# KiCad board Control_1v1.kicad_pcb (continued)
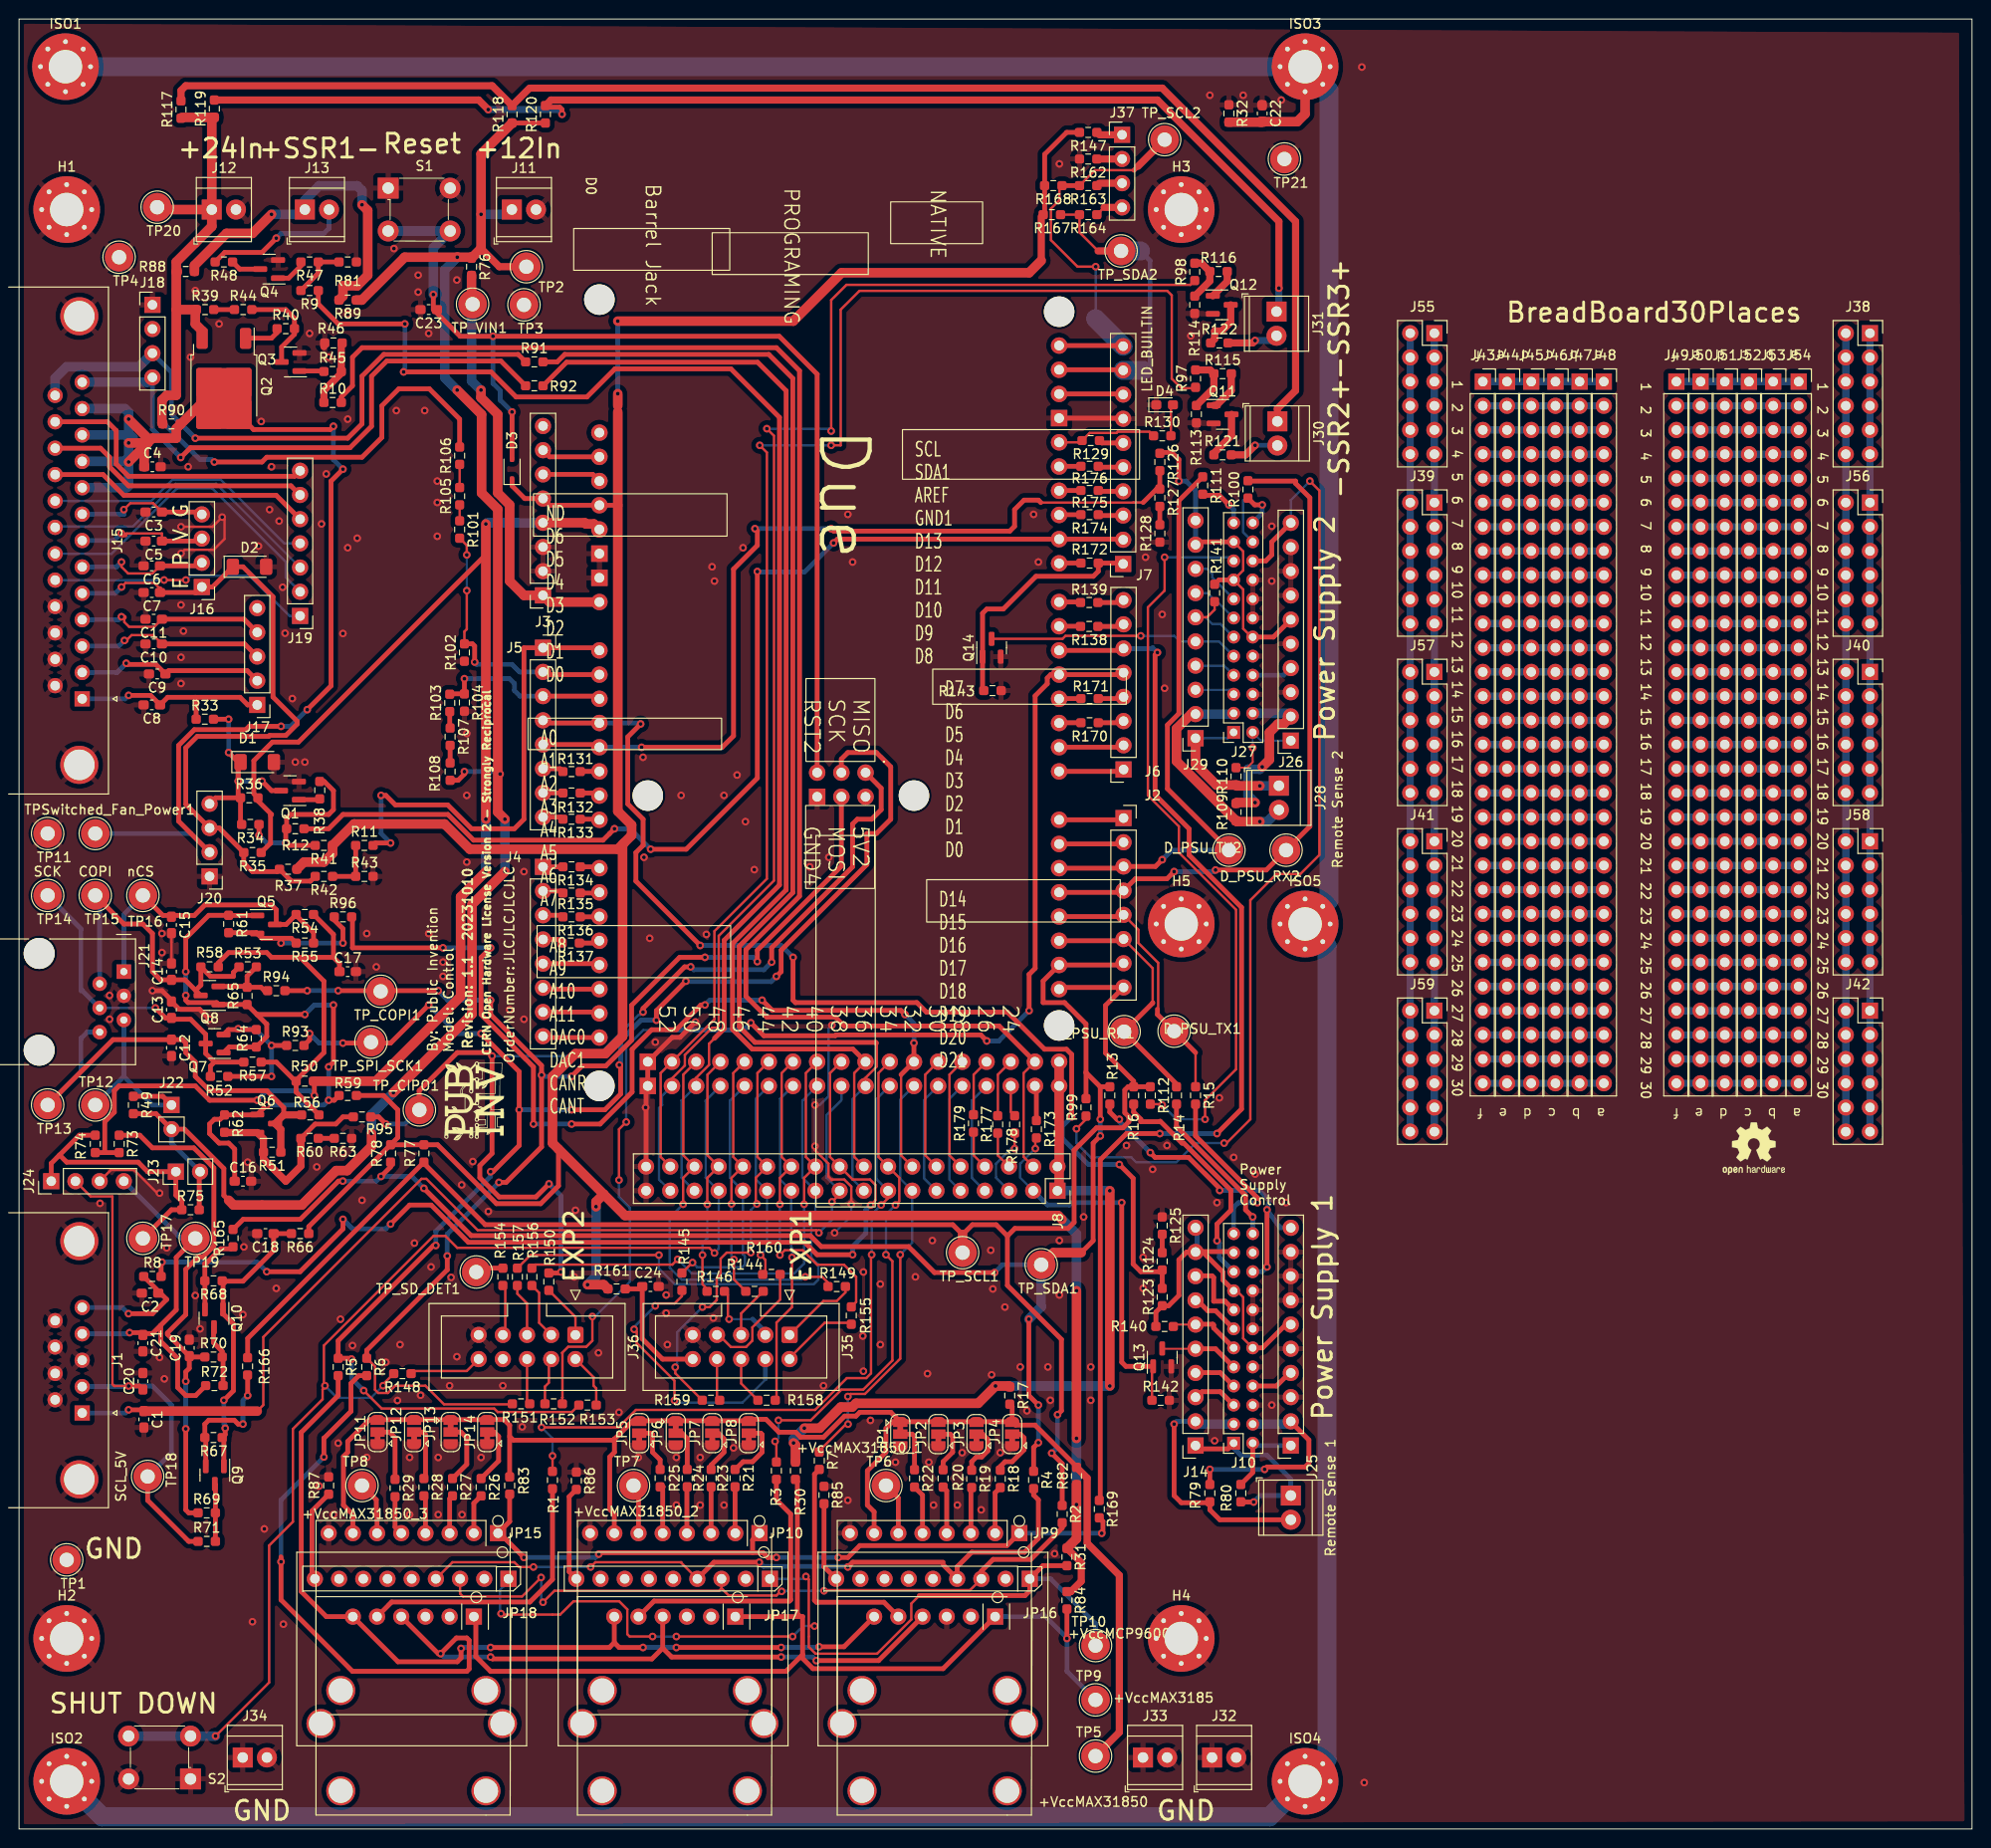
[diagram p0: board, top side]
## Routing (per net, layer and track width the routed paths; a pad name or vN(x,y) marks a point on that pad's centre or on a via; arc(x,y) is an arc through that point) (continued)
/Blower controller/TachFan4: length 14.3
  Top w0.25: v1(11,138.5) 11.67,139.18 14.08,139.18 C3.1
  Top w0.5: C3.1 18.94,138.25 J16.4
  Bottom w0.5: J15.8 11,138.03 v1(11,138.5) 11.03,138.47 11.03,138
/D_PSU_RX: length 27.1
  Top w0.25: 119,86.75 119,90.36 J2.6 ; 121.5,78.2 R14.2
  Top w0.5: J2.6 115.76,93.24 A1.D19 ; 121.5,78.2 D_PSU_RX1.1 119,86.7 119,86.75
/D_PSU_RX2: length 71.1
  Top w0.5: v1(121.25,100.5) 120.5,99.75 117.19,99.75 J2.4 115.76,98.32 A1.D17 ; v1(125.6,100.67) 130.92,100.67 D_PSU_RX2.1 135.5,105.25 135.5,139.75 134,141.25 134,141.5 129.03,141.5 R100.2
  Bottom w0.5: v1(121.25,100.5) 125.43,100.5 v1(125.6,100.67)
/D_PSU_TX: length 28.1
  Top w0.25: J2.5 117.5,94.4 117.5,93 119.57,90.93 119.57,86.12 119.5,86.05 ; 123.5,81.5 R15.1
  Top w0.5: A1.D18 115.76,95.78 J2.5 ; 123.5,81.5 D_PSU_TX1.1 119.5,85.5 119.5,86.05
/D_PSU_TX2: length 62
  Top w0.5: v1(120,101.75) 119.29,101.04 J2.3 115.76,100.86 A1.D16 ; D_PSU_TX2.1 120.55,109.2 120.55,115.89 121.75,117.09 121.75,139.44 R111.1
  Bottom w0.5: D_PSU_TX2.1 121,102.75 v1(120,101.75)
/Display Interface/Beeper: length 8.3
  Top w0.25: J35.1 84.44,55.42 85.84,55.42 86.75,56.33 R149.1
/Display Interface/BTN_EN1: length 6
  Top w0.25: R156.2 54.59,56.29 54.59,53.13 J36.3
/Display Interface/BTN_EN2: length 5.6
  Top w0.25: J36.5 53.33,55.17 52.31,56.18 R157.2
/Display Interface/BTN_ENC: length 8.2
  Top w0.25: J35.2 80.88,49.45 84.57,53.13 87.21,53.13 R155.2
/Display Interface/LCD_MOSI/CS: length 7.8
  Top w0.25: R146.1 74.41,56.08 74.41,53.64 v1(74.53,53.52)
  Bottom w0.25: v1(74.53,53.51) 77.03,53.51
  Bottom w0.5: J35.3 78.34,52.2 77.03,53.51
/Display Interface/LCD_RS: length 29.2
  Top w0.25: v1(68.8,44.99) 68.8,47.06 64.84,51.02 64.84,52.18 v1(64.57,52.45) ; v1(66.79,54.91) 67.04,55.17 68.82,55.17 69.58,55.93 R145.1
  Bottom w0.25: 78.34,47.26 78.34,47.16 75.93,44.75 69.04,44.75 v1(68.8,44.99) ; v1(66.79,54.91) 64.57,52.69 v1(64.57,52.45)
  Bottom w0.508: 78.34,47.26 J35.4
/Display Interface/LCD_SCK: length 5.5
  Top w0.25: R144.1 75.8,54.12 75.8,51.86
/Display Interface/LED_Blue: length 4.4
  Top w0.25: R159.2 73.26,45.29 73.26,49.32
/Display Interface/LED_Green: length 12.8
  Top w0.25: 73.26,52.05 74.72,50.59 76.31,50.59 76.97,51.26 76.97,52.65 79.89,55.57 R160.2
/Display Interface/LED_Red: length 5
  Top w0.25: R158.2 75.8,46.77 75.8,49.32
/Display Interface/SD_CS: length 5
  Top w0.25: J36.4 55.61,49.07 55.61,46.85 55.21,46.44 R152.1
/Display Interface/SD_DET: length 5.4
  Top w0.25: J36.7 51.04,52.12 51.04,56.79 R154.1
/Display Interface/SD_MISO: length 5.8
  Top w0.25: J36.1 58.41,53.75 R150.1
/Display Interface/SD_MOSI: length 4.8
  Top w0.25: R151.1 53.33,44.9 J36.6
/Display Interface/SD_SCK: length 5.7
  Top w0.25: R153.1 60.59,46.25 60.31,46.53 60.31,47.42 J36.2
/Display Interface/STOP/KILL: length 7.7
  Top w0.25: R148.1 41.43,48.08 47,48.08 J36.10
/EN2+: length 8
  Top w0.25: J29.6 124.7,127.2 125.5,128 R141.2
  Bottom w0.25: J29.6 124.55,127.2 125.25,126.5 126.12,126.5 J27.11
/EN2-: length 26.4
  Top w0.25: v1(117.75,125.25) 109.85,125.25 109.54,124.94 Q14.3
  Bottom w0.25: v1(117.75,125.25) 121.25,125.25 121.84,124.66 J29.5 125.96,124.66 J27.9
/EN+: length 7.5
  Top w0.2: J14.6 121.36,52.95 R140.2
  Top w0.5: 123.65,52.99 125.31,52.99 125.4,52.9 125.4,52.6 J10.11
/EN-: length 8.2
  Top w0.2: J14.5 120.03,50.41 Q13.3
  Top w0.5: 123.65,50.45 123.7,50.4 125.6,50.4 J10.9
/I2C_LevelShift/I2C_VCC: length 30.2
  Top w0.5: 4.25,70.75 3.38,69.88 J24.1 ; 4.25,70.75 6.33,72.82 R74.1 ; 4.25,70.75 5,70 12.5,70 13.5,69 J23.1 16.46,66.54 17.09,65.91 R75.1 16,65 TP17.1
/I2C_LevelShift/SCL_3.3V: length 14
  Top w0.5: Q9.2 19.6,40.99 ; R67.2 19.5,42.5 19.91,42.91 22.59,42.91 23,42.5 v1(23.5,42.5) ; v1(24,45.5) 24,47.64 R166.1
  Bottom w0.5: v1(24,45.5) 23.5,45 v1(23.5,42.5)
/I2C_LevelShift/SCL_5V: length 56
  Top w0.25: J24.2 7.52,66.4 9.8,66.4 9.8,46.7 10,46.5 v1(11.5,46.5)
  Top w0.5: TP18.1 13.5,34.5 17.81,30.19 R71.1 ; C20.1 12.64,46.5 v1(11.5,46.5)
  Bottom w0.5: TP18.1 16,39.5 16,44.5 14,46.5 v1(11.5,46.5) 11.44,46.44 J1.2
/I2C_LevelShift/SDA_3.3V: length 8.5
  Top w0.5: R68.2 19.5,59.35 19.6,59.35 21.15,60.9 22.25,60.9 R165.1 ; Q10.2 19.51,57.53
/I2C_LevelShift/SDA_5V: length 40.4
  Top w0.5: 14.88,52.88 14.88,51.18 16.65,49.41 16.65,46.35 17.5,45.5 18.54,45.5 R72.1 ; v1(11.6,52.1) 12.76,52.1 C21.1 13.14,52 14,52 16.5,54.5 16.5,60 TP19.1
  Bottom w0.5: TP19.1 17,62 J24.4 ; J1.4 11.48,51.98 v1(11.6,52.1)
/PAR: length 4.4
  Top w0.5: 123.65,47.91 124.89,47.91 124.9,47.9 126.1,47.9 J10.7
/PAR2: length 4.4
  Bottom w0.25: J29.4 126.5,122.12 J27.7
/POK: length 4.6
  Top w0.5: J10.5 126.1,45.9 124.18,45.9 123.65,45.37
/POK2: length 4.2
  Bottom w0.25: J27.5 127.04,119.58 J29.3
/PS2_SCL: length 78.7
  Top w0.25: R112.2 119.91,76.09 v1(120,76) ; v1(120.25,133.5) 120.25,130 118.5,128.25 118.5,108.5 121.75,105.25 121.75,102.5 127.75,96.5 127.75,79.75 124.5,76.5 v1(124.5,74.5)
  Bottom w0.25: v1(124.5,74.5) 121.5,74.5 v1(120,76) ; J27.19 127.12,133.5 v1(120.25,133.5)
/PS2_SDA: length 107.7
  Top w0.25: R99.1 112,74.5 v1(111,73.5) ; v1(126.5,72) 126.75,72 129.25,74.5 129.25,97.5 132,100.25 134.5,100.25 136.5,102.25 136.5,140.5 v1(135.5,141.5)
  Top w0.5: J27.20 130.87,133.12 131.5,133.75 131.5,135.11 J26.10
  Bottom w0.25: J26.10 133.5,139.5 v1(135.5,141.5) ; v1(126.5,72) 123.5,72 121.5,70 117.25,70 116.75,70.5 112.5,70.5 111,72 v1(111,73.5)
/PS_SCL: length 24.5
  Top w0.5: R16.2 117,75.25 117.75,74.5 117.75,74.25 119.75,74.25 119.79,74.29 122.09,72 122.26,72 127.2,67.06 127.2,64.95 125.75,63.5 v1(125.75,61.75)
  Bottom w0.5: J10.19 126,60 126,61.5 v1(125.75,61.75)
/PS_SDA: length 33.9
  Top w0.5: v1(118.75,71) 119.25,70.5 122.77,70.5 126.03,67.24 v1(126.03,67.03) ; R13.1 114.5,75.25 115.25,74.5 v1(115.5,74.5) ; v1(131,65) v1(131,59)
  Bottom w0.5: v1(118.75,71) 115.5,74.25 v1(115.5,74.5) ; J9.10 132.39,63.11 v1(131,65) 131.25,66 130.22,67.03 v1(126.03,67.03) ; J10.20 130.5,58.5 v1(131,59)
/RX: length 18.5
  Top w0.5: R15.2 123.5,72.75 130,66.25 v1(130,65.75)
  Bottom w0.5: J10.23 127.5,65.25 128,65.75 v1(130,65.75)
/RX2: length 5.3
  Top w0.5: v1(127,139) 126,140 124.37,140 R111.2
  Bottom w0.5: J27.23 127.5,138.5 v1(127,139)
/SD_CS: length 132.1
  Top w0.25: R152.2 57.03,45.28 57.04,45.29 ; 57.04,45.29 57.02,45.28 ; 57.04,45.29 57.04,49.95 57.01,49.98 57.64,50.62 59.55,50.62 60.18,51.25 v1(60.18,53.79) ; v1(63.74,74.22) 62.98,73.45 v1(62.98,68.12)
  Top w0.5: v1(101.59,82.72) 100.95,83.36 85.77,83.36 85.68,83.27 78.18,83.27 v1(76.82,84.63) ; v1(106.03,85.9) 106.03,89.71 106.66,90.34 106.66,118.96 107.94,120.23 107.94,120.83 108.29,121.18 A1.D4 115.74,121.18 J6.5
  Bottom w0.25: v1(63.74,74.22) 63.74,82.09 65.52,83.87 67.93,83.87 ; v1(62.98,68.12) 62.98,66.34 64.12,65.2 64.12,57.45 60.18,53.51
  Bottom w0.5: 67.93,83.87 76.06,83.87 v1(76.82,84.63) ; v1(106.03,85.9) 102.85,82.72 v1(101.59,82.72)
/SPI_ControllerLevel_Shifter/C_SCK: length 34.5
  Top w0.5: R52.1 20.09,80.09 20.5,80.5 ; 20.5,80.5 19.59,81.41 Q7.3 19.59,83.41 18,85 16.14,85 C13.1 15.36,85.14 v1(14.31,86.19) ; 20.5,80.5 R57.2
  Bottom w0.25: J21.4 v1(14.31,86.19)
  Bottom w0.5: J21.4 6.65,88 6.5,88 6.5,94.5 TP14.1
/SPI_ControllerLevel_Shifter/CIPO: length 49.9
  Top w0.5: TP13.1 9.86,82.86 C12.1 17.14,82.86 17.5,82.5 17.5,81.5 18.5,80.5 18.5,79 20,77.5 26,77.5 27.78,75.72 27.78,74.96
  Top w0.75: R56.2 27.78,74.96 Q6.3 27.48,73.44 R51.1
  Bottom w0.5: TP13.1 6.5,79.5 6.5,83 7.15,83.65 J21.6
/SPI_ControllerLevel_Shifter/CIPO_3V3: length 21.4
  Top w0.5: R60.2 31.09,74 33.25,74 34,74.75 R95.1
  Top w0.75: R60.2 29.59,69.59 28,68 25.66,70.34 R51.2 25.66,72.44 Q6.2 21.6,73.1 R62.2
/SPI_ControllerLevel_Shifter/ControllerVcc: length 20.8
  Top w0.5: R49.1 15.09,76.91 J22.1
  Bottom w0.5: J22.1 14,76 11,79 ; 11,79 TP12.1 ; 11,79 J21.5
/SPI_ControllerLevel_Shifter/COPI: length 35
  Top w0.5: R53.1 22.5,89.91 22.5,89.5 20.09,89.5 R58.2 19.09,88.59 18.53,88.03 ; 18.53,88.03 17.42,89.14 C14.1 14.86,89.14 14,90 14,94 13,95 11,95 TP15.1 ; 18.53,88.03 Q8.3
  Bottom w0.5: J21.2 8.46,97.54 TP15.1
/SPI_ControllerLevel_Shifter/COPI_3V3: length 7.9
  Top w0.5: R65.2 23.94,89.53 R53.2 ; R65.2 23.85,88.45 Q8.2 ; R65.2 25.39,88.36 25.75,88 R94.1
/SPI_ControllerLevel_Shifter/COPI_nCS: length 17.7
  Top w0.5: 27.5,93.5 28.59,93.5 R55.2 ; 27.5,93.5 25.5,93.5 Q5.2 24.91,94.09 R61.2 ; 27.5,93.5 v1(27.5,93) ; R96.1 33.09,95.41 34,94.5 v1(34,93)
  Bottom w0.5: v1(34,93) v1(27.5,93)
/SPI_ControllerLevel_Shifter/nCS: length 32.4
  Top w0.5: R55.1 30.91,94.09 29.09,95.91 R54.2 28.04,94.95 Q5.3 27,95.07 27,96.5 26.5,97 19.5,97 18.4,95.9 15.1,95.9 TP16.1
  Bottom w0.5: TP16.1 11,96 J21.1
/SPI_ControllerLevel_Shifter/SCK_3V3: length 17.3
  Top w0.5: R93.1 v1(26.5,82.25) ; R52.2 v1(26.5,79) ; R64.2 21.98,83.91 Q7.2
  Bottom w0.5: v1(26.5,79) v1(26.5,82.25) 24.75,84 v1(23,84)
/SSR Interface/Heater1: length 5.9
  Top w0.5: R9.2 31.41,163.32 R47.1 R81.1
/SSR Interface/Heater2: length 6.2
  Top w0.75: R113.1 125.43,151.27 R115.1 125.03,153.16 R97.2
/SSR Interface/Heater3: length 5.2
  Top w0.75: R114.1 123.41,160.91 125,162.5 R116.1 124.13,164.37 R98.2
/Thermocouple Amplifier I2C breakout board - MCP9600/SCL: length 74.1
  Top w0.25: 73.74,25.26 74.5,24.5 79.5,24.5 80,25 80.05,24.95 v1(80.05,24.94) ; 73.74,25.26 JP20.3 ; 73.74,25.26 73.48,25 56.2,25 v1(55,23.8) ; v1(54.8,26.4) 52.8,24.4 46.6,24.4 46.3,24.71 JP21.3 ; JP19.3 99.83,25.07 84.57,25.07 v1(84.5,25)
  Top w0.5: JP19.3 101.01,27.06 102.25,28.3 106.2,28.3 109.5,31.6 R2.2
  Bottom w0.25: v1(54.8,26.4) 54.8,24 v1(55,23.8) ; v1(84.5,25) 80.5,25 80.44,24.94 v1(80.05,24.94)
/Thermocouple Amplifier I2C breakout board - MCP9600/SDA: length 74.8
  Top w0.25: JP20.4 69.5,27.96 69.5,28 60.5,28 v1(60,27.5) ; v1(54,27.5) 52.5,27.5 52,28 45.5,28 JP21.4
  Top w0.5: 97,27.73 JP19.4 98.47,27.53 100,29.05 105.55,29.05 107,30.5 107,34.55 106.5,35.05 R4.2 ; v1(77.7,28) 72.94,28 JP20.4 ; v1(87,27.5) 87.5,28 97,28
  Bottom w0.25: v1(54,27.5) v1(60,27.5)
  Bottom w0.5: v1(77.7,28) 78.14,27.56 86.94,27.56 v1(87,27.5)
/Thermocouple Amplifier SPI Interface breakout board - MAX31855 /DO: length 120.8
  Top w0.5: 27.5,28.55 27.5,24.05 35,16.55 47,16.55 47.25,16.8 47.25,19.8 47,20.05 45.9,20.05 v1(44.25,18.4) 44.01,18.4 JP18.4 ; v1(80,18.05) 68.5,18.05 67.56,18.99 ; v1(83.69,17.68) 90.23,17.68 JP16.4 ; v1(32,39.05) 32,41.05 ; 67.56,18.99 66.43,17.85 49.7,17.85 v1(49.5,18.05) ; 67.56,18.99 JP17.4 ; 32,41 34.84,43.84 34.84,46.77 35.66,47.59 R6.2
  Bottom w0.5: v1(32,39.05) 27.5,34.55 v1(27.5,28.05) ; v1(44.25,18.4) 44.6,18.05 v1(49.5,18.05) ; v1(83.69,17.68) 83.31,18.05 v1(80,18.05)
/Thermocouple Amplifier SPI Interface breakout board - MAX31855 /nCS_1: length 23.5
  Top w0.5: JP16.5 90.79,23.8 83.7,23.8 83.5,24 83.5,37.24 R7.2
/Thermocouple Amplifier SPI Interface breakout board - MAX31855 /nCS_2: length 30
  Top w0.5: R3.2 79.5,34.55 81,33.05 81,24.05 80.88,23.93 66.66,23.93 JP17.5
/Thermocouple Amplifier SPI Interface breakout board - MAX31855 /nCS_3: length 29.6
  Top w0.5: JP18.5 39.12,23.82 53.62,23.82 56,26.2 56,35.7 R1.2
/Thermocouple Amplifier SPI Interface breakout board - MAX31855 /SCK: length 93.2
  Top w0.5: v1(46.4,18.95) 46.4,17.95 46,17.55 39.78,17.55 JP18.6 32.26,22.29 29.62,24.93 29.62,41.62 33.5,45.5 R5.2 ; v1(65.5,19.05) 63,19.05 62.48,19.56 ; 62.48,19.56 61.97,19.05 v1(49.5,19.05) ; 62.48,19.56 JP17.6 ; v1(83.98,19.12) 86.6,19.12 JP16.6 ; v1(80,19.05) v1(69,19.05)
  Bottom w0.5: v1(46.4,18.95) 46.5,19.05 v1(49.5,19.05) ; v1(69,19.05) v1(65.5,19.05) ; v1(83.98,19.12) 83.91,19.05 v1(80,19.05)
/Thermocouple Amplifier with 1-Wire Breakout Board - MAX31850K/DATA: length 74.7
  Top w0.5: v1(113.65,31.04) 113.78,31.16 113.78,32.28 R169.1 ; 77,29 78.1,29 78.6,28.5 v1(79.5,28.5) ; 77,29 77,30.32 JP10.1 ; 77,29 61.01,29 v1(60.86,28.85) ; v1(53,28.5) 50.45,31.05 JP15.1 51.5,32.27 R83.1 ; JP9.1 103.7,29.75 88.26,29.75 87.01,28.5 v1(86,28.5)
  Bottom w0.5: v1(53,28.5) 60.51,28.5 v1(60.86,28.85) ; v1(79.5,28.5) v1(86,28.5) ; 113.64,31.05 v1(113.65,31.04) 113.64,31.05 ; 113.64,31.05 JP9.1
/TX: length 16.9
  Top w0.5: v1(129.5,64.25) 128.75,65 128.75,66.5 121.5,73.75 R14.1
  Bottom w0.5: J10.24 v1(129.5,64.25)
/TX2: length 4.1
  Top w0.5: v1(130.5,139) 129.71,139 R100.1
  Bottom w0.5: J27.24 130.5,138.12 v1(130.5,139)
/VCI: length 6.8
  Top w0.5: 123.65,58.07 125.23,58.07 125.4,57.9 125.4,55.4 126.6,55.4 J10.15
/VCI2: length 5.5
  Bottom w0.25: J29.8 124.72,132.28 125.25,131.75 125.25,131.37 J27.15
/VO2+: length 9.5
  Top w0.2: R110.2 128.91,111.41 129.5,112 v1(129.5,113.5)
  Bottom w0.2: v1(129.5,113.5) J27.2 130.37,114.25 J26.1
/VO2-: length 18.5
  Top w0.2: J26.2 133.5,116.75
  Top w1: v1(129.75,107.75) 127.84,107.75 R109.2 ; 133.5,116.75 132.75,116 132.15,116 131.25,115.1 131.25,112.25 v1(130.5,111.5)
  Bottom w0.2: 133.17,117.12 J26.2
  Bottom w1: J27.4 133.17,117.12 ; v1(130.5,111.5) 130.25,111.25 129,111.25 129,108.5 v1(129.75,107.75)
/VO+: length 8.8
  Top w0.5: R80.2 129.5,37.41 J10.2
  Bottom w0.5: J10.2 129.75,40.25 132.94,40.25 133.19,40.5
/VO-: length 21.6
  Top w0.5: 133.4,42.83 135.4,40.83 135.4,38.4 135,38 131,38 v1(130.75,37.75) ; R79.2 v1(125,37.75)
  Bottom w0.5: v1(130.75,37.75) v1(125,37.75) ; J9.2 133.21,42.5
  Bottom w1: 133.21,42.5 J10.4
/VS2+: length 16.7
  Top w1: J29.1 123.5,111.78 125.7,109.59 R110.1 127.84,109.5 v1(130.25,109.5)
  Bottom w0.25: J27.1 126.88,114.5 J29.1
  Bottom w1: v1(130.25,109.5) 130.27,109.52 J28.1
/VS2-: length 24
  Top w1: J29.2 123.04,117.04 121.5,115.5 121.5,112.09 R109.1 127.84,105.75 v1(130.25,105.75)
  Bottom w0.25: 127.42,117.04 J27.3
  Bottom w1: J29.2 127.42,117.04 ; J28.2 131.02,105.75 v1(130.25,105.75)
/VS+: length 19.1
  Top w0.5: 123.65,40.29 124.04,39.9 126.9,39.9 J10.1 ; 128.5,34.32 v1(129.6,34.32)
  Bottom w0.5: J10.1 127.5,40 128.25,39.25 130.98,39.25 133.5,36.73 J25.1 130.28,35 v1(129.6,34.32)
/VS-: length 27.7
  Top w0.5: J25.2 126.04,32.46 125,33.5 R79.1 124.91,34.25 122,34.25 121.25,35 v1(121.25,42.5)
  Bottom w0.5: v1(121.25,42.5) 121.54,42.79 J14.2 ; 123.98,42.5 123.65,42.83
  Bottom w1: J10.3 123.98,42.5
/VSET: length 4.5
  Top w0.5: 133.4,47.91 131.99,46.5 J10.8
/VSET2: length 4.3
  Bottom w0.5: J27.8 132.75,121.12 J26.4
AREF: length 6.7
  Top w0.5: A1.AREF 115.84,150.64 J7.8
BLOWER_ENABLE: length 166.7
  Top w0.25: J8.4 105.45,70.55 105.45,79.35 A1.D22
  Top w0.5: A1.D22 102.88,84.3 86.61,84.3 85.68,85.23 78.48,85.23 76.3,87.41 76.3,92.29 81.92,97.91 81.92,153.08 79.5,155.5 36,155.5 35,154.5 35,151.5 33.83,150.32 R10.2
BLOWER_TACH: length 50.3
  Top w0.5: v1(39,103.5) 37.41,103.5 R11.2 ; A1.A0 60.64,124 J5.1 53,124 53,106 52,105 47.5,105 45,107.5 39.5,107.5 38.5,108.5 v1(38,108.5)
  Bottom w0.5: v1(39,103.5) 38,104.5 v1(38,108.5)
CANR: length 6
  Top w0.5: J4.7 60.78,85.76 A1.CANR
CANT: length 6
  Top w0.5: A1.CANT 55.14,83.08 J4.8
CIPO: length 110.6
  Top w0.5: v1(79,91) 79,92.5 87.5,101 87.5,105.5 88,106 89.5,106 90.5,107 90.5,109.25 A1.MISO ; v1(70.5,90.5) 69.86,90.5 65.5,86.14 v1(65.5,85.75) ; R150.2 56.78,58.36 v1(56.88,58.47) ; v1(55.63,67.72) 54.26,66.34 50.4,66.34 48.37,68.37 48.37,69.64 49.65,70.92 v1(49.65,81.15) 49.3,81.5 46,81.5 42,77.5 42,75.5 ; R95.2 37.75,74.75 v1(38.5,74)
  Bottom w0.25: v1(65.5,85.75) 65.22,85.47 65.04,85.47 60.71,81.15 v1(49.65,81.15)
  Bottom w0.5: v1(56.88,58.47) 56.88,66.47 v1(55.63,67.72) ; 42,75.5 40.5,74 v1(38.5,74) ; v1(70.5,90.5) 70.8,90.2 78.2,90.2 v1(79,91)
COPI: length 140.4
  Top w0.25: R6.1 37.36,48.55 37.36,46.11 37.7,45.77 38.72,45.77 39.48,46.53 42.66,46.53 44.61,44.58 51.73,44.58 R151.2
  Top w0.5: v1(30.25,88) R94.2 ; 86.32,108.35 86.32,101.07 77.5,92.25 v1(77.5,91.05) ; R6.1 36.5,50.25 44.95,58.7 v1(44.95,60.15) ; v1(58,79) 59.1,80.1 61.6,80.1 64.3,82.8 64.3,86.46 69.34,91.5 v1(72,91.5) ; v1(50.38,67.88) 51.12,67.88 54.85,71.6 v1(54.85,79.14) 54.85,80.14 49.5,85.49 v1(49.5,87) ; v1(44,88) v1(33.5,88)
  Bottom w0.5: v1(33.5,88) v1(30.25,88) ; v1(49.5,87) 45,87 v1(44,88) ; v1(77.5,91.05) 77.06,91.49 72.01,91.49 v1(72,91.5) ; v1(58,79) 54.99,79 v1(54.85,79.14) ; v1(44.95,60.15) 44.95,62.45 v1(50.38,67.88)
D0: length 6.8
  Top w0.5: A1.D0 115.74,111.02 J6.1
D1: length 6.8
  Top w0.5: J6.2 115.74,113.56 A1.D1
D25: length 7.6
  Top w0.25: v1(104.51,71.42) R178.1
  Bottom w0.25: v1(104.51,71.42) 104.14,71.42 102.56,69.84 102.56,68.37 J8.5
D27: length 12.2
  Bottom w0.25: A1.D27 100.01,76.46 100.01,68.37 J8.7
D29: length 12
  Bottom w0.25: J8.9 97.66,68.18 97.66,76.65 A1.D29
D31: length 12.2
  Bottom w0.25: A1.D31 95,76.52 95,68.3 J8.11
D32: length 104
  Top w0.25: 92.59,79.19 92.59,70.71 J8.14
  Top w0.5: v1(93.94,82.51) A1.D32 92.59,79.19 ; R96.2 35,95.66 35,92.5 v1(44.5,92.5) ; v1(49.5,92.5) 48.5,91.5 48.5,85.5 54,80 v1(54,74) ; v1(78,87) 79.07,85.93 92.57,85.93 v1(93,85.5) ; v1(58,74) 60.99,74 64.35,77.36 64.35,81.85 66.4,83.9 68.98,83.9 71.58,86.5 v1(72,86.5)
  Bottom w0.5: v1(49.5,92.5) v1(44.5,92.5) ; v1(93.94,82.51) 93.94,84.56 v1(93,85.5) ; v1(72,86.5) 72.5,87 v1(78,87) ; v1(58,74) v1(54,74)
D37: length 130.2
  Top w0.25: A1.D37 88.86,78.86 90.05,80.05 90.05,82.45 90,82.5
  Top w0.5: R91.2 56.5,154.01 57.29,154.8 78.7,154.8 81.22,152.28 81.22,98.3 75.6,92.67 75.6,84.23 77.25,82.57 89.93,82.57 90,82.5
  Bottom w0.25: J8.17 87.5,68.18 87.5,76.64 A1.D37
D38: length 105.7
  Top w0.25: A1.D38 85.13,79.35 85.13,70.55 J8.20 87.5,68.18 89.33,68.18 89.9,67.61 89.9,66 v1(89.39,65.49)
  Top w0.5: v1(39,63.5) 41,65.5 43.25,65.5 47.17,61.58 82.47,61.58 83.77,60.28 v1(87.5,60.28) ; v1(34,64) 34,63 29.5,58.5 v1(26,58.5) ; v1(15,59.5) 14.91,59.41 R8.2
  Bottom w0.5: v1(15,59.5) 25,59.5 v1(26,58.5) ; v1(87.5,60.28) 87.5,61.15 88.88,62.53 88.88,64.99 v1(89.39,65.49) ; v1(39,63.5) 38.5,63 35,63 v1(34,64)
D39: length 111.7
  Top w0.25: v1(83.96,62.58) 83.69,62.86 48.14,62.86 42.75,68.25 42.25,68.25 25.64,51.64 25.64,44.5 25,43.86 ; v1(85.33,65.83) 86.14,66.65 J8.19
  Top w0.5: v1(11.5,44) 12.96,44 C1.1
  Top w1: C1.1 25,43.86
  Bottom w0.25: v1(83.96,62.58) 85.33,63.95 v1(85.33,65.83) ; J8.19 84.78,68.37 84.78,74.96 86.32,76.5 A1.D39
  Bottom w0.5: J1.1 11.17,43.67 v1(11.5,44)
D40: length 52.6
  Top w0.25: R156.1 54.21,59.25 68.58,59.25 v1(69.13,59.8) ; v1(82.41,65.58) 82.41,68.35 J8.22 82.59,70.55 82.59,79.35 A1.D40
  Bottom w0.25: v1(82.41,65.58) 82.41,59.36 81.37,58.31 70.62,58.31 v1(69.13,59.8)
D41: length 56.5
  Top w0.25: R157.1 53.68,60.25 v1(67.17,60.25)
  Bottom w0.25: v1(67.17,60.25) 67.17,58.84 68.81,57.2 83.43,57.2 83.9,57.66 83.9,59.27 83.17,59.99 83.17,63.8 83.6,64.23 J8.21 82.24,68.37 82.24,76.46 A1.D41
D42: length 34.4
  Top w0.25: R155.1 87.87,55.32 87.87,57.96 86.6,59.23 83.78,59.23 82.26,60.75 80.38,60.75 v1(79.87,60.25) ; A1.D42 80.05,79.35 80.05,70.55 J8.24 79.87,68.35 v1(79.87,65.58)
  Bottom w0.25: v1(79.87,65.58) v1(79.87,60.25)
D43: length 34.8
  Top w0.25: v1(81.14,59.99) 81.14,54.78 79.51,53.16 79.51,45.14 R158.1
  Bottom w0.25: v1(81.14,59.99) 81.14,61.01 81.06,61.09 J8.23 79.88,68.18 79.88,76.65 A1.D43
D44: length 43.6
  Top w0.25: A1.D44 77.51,79.35 77.51,70.55 J8.26 77.34,68.37 77.34,65.72 v1(77.45,65.61) ; v1(76.82,60.5) 74.28,60.5 73.64,59.87 73.64,58.21 73.24,57.81 73.24,55.52 72.5,54.78 v1(71.74,54.78) ; R159.1 68.88,47.84 v1(68.88,48.47)
  Bottom w0.25: v1(76.82,60.5) 76.82,64.97 v1(77.45,65.61) ; v1(71.74,54.78) 69.07,52.12 69.07,48.82 68.88,48.63 v1(68.88,48.47)
D45: length 21.4
  Top w0.25: R160.1 78.34,58.49 78.34,59.74 v1(77.84,60.25)
  Bottom w0.25: A1.D45 77.34,76.65 77.34,68.18 J8.25 78.52,60.93 v1(77.84,60.25)
D46: length 26.1
  Top w0.25: v1(74.79,65.61) 74.79,68.35 J8.28 74.97,70.55 74.97,79.35 A1.D46 ; R144.2 75.04,57.68 v1(75.04,59.78)
  Bottom w0.25: v1(74.79,65.61) 74.79,60.03 v1(75.04,59.78)
D47: length 27.4
  Top w0.25: R145.2 70.67,59.46 v1(70.7,59.46)
  Bottom w0.25: A1.D47 74.61,76.46 74.61,68.37 J8.27 75.98,60.32 76.19,60.12 76.19,59.23 75.93,58.98 71.18,58.98 v1(70.7,59.46)
D48: length 25.9
  Top w0.25: 71.74,57.17 72.22,56.69 R146.2 ; v1(72.25,65.58) 72.25,68.35 J8.30 72.27,70.71 72.27,79.19 A1.D48 ; v1(71.74,60.25) 71.74,57.32
  Bottom w0.25: v1(71.74,60.25) 71.74,61.52 72.25,62.02 v1(72.25,65.58)
D49: length 129.6
  Top w0.25: 32,46.28 32,50.75 43.5,62.25 44.75,62.25 45.99,61.01 72.45,61.01 v1(73,60.46) ; 32,46.28 32,46.41 v1(32.12,46.53) ; 32,46.28 31.86,46.14 31.86,45.11 28.75,42 28.75,32.25 26.25,29.75 26.25,15.38 v1(20.62,9.75) ; v1(38.21,46.53) 38.21,46.68 R148.2
  Bottom w0.25: v1(73,60.46) 73.44,60.9 J8.29 72.08,68.37 72.08,76.46 A1.D49 ; v1(32.12,46.53) 33.39,45.26 36.94,45.26 v1(38.21,46.53)
  Bottom w1: 11.38,9.75 v1(20.62,9.75)
D50: length 41.7
  Top w0.25: v1(82.54,57.96) 84.31,57.96 84.92,57.35 R149.2 ; v1(69.71,65.58) 69.71,68.35 J8.32 69.73,70.71 69.73,79.19 A1.D50
  Bottom w0.25: v1(82.53,57.96) 82.45,57.96 82.13,57.65 69.57,57.65 68.31,58.91 68.31,64.18 v1(69.71,65.58)
D51: length 146.3
  Top w0.25: 73,83 72.43,82.43 72.43,80.21 71.08,78.86 A1.D51
  Top w0.5: v1(40.37,152.96) 49.54,152.96 52.18,150.32 59.61,150.32 62.56,153.28 74.72,153.28 79.82,148.18 79.82,99.1 74.03,93.3 74.03,84.03 73,83 ; v1(40.5,158) 33.5,158 31.41,160.09 R9.1
  Bottom w0.25: A1.D51 69.53,76.46 69.53,68.37 J8.31
  Bottom w0.5: v1(40.5,158) 40.5,153.08 v1(40.37,152.96)
D52: length 151.3
  Top w0.25: R97.1 123.41,151.25 122,151.25 121,152.25 121,161 120.53,161.47 88.22,161.47 86.25,159.5 86.25,145.25 v1(85.25,145.25) ; v1(77.75,145.25) 78.5,144.5 78.5,99.75 73,94.25 73,85 A1.D52 67.35,79.35 67.35,70.55 J8.34
  Bottom w0.25: v1(77.75,145.25) v1(85.25,145.25)
D53: length 145.7
  Top w0.25: R98.1 122.97,162.1 86.85,162.1 85.25,160.5 v1(85.25,146.75) ; v1(78.5,147) 79.25,146.25 79.25,99.56 73.45,93.76 73.45,84.31 73.25,84.11 72.75,84.11 69.89,81.26 69.89,80.14 68.54,78.79 A1.D53
  Bottom w0.25: A1.D53 67.5,76.96 67.5,76 67.19,75.69 67.19,68.18 J8.33 ; v1(85.25,146.75) 85,147 v1(78.5,147)
DAC0: length 6
  Top w0.5: A1.DAC0 60.78,90.84 J4.5
DAC1: length 6
  Top w0.5: A1.DAC1 55.14,88.16 J4.6
LED_BUILTIN: length 10.5
  Top w0.25: A1.D13 111.4,145.56 R129.2 112.39,146.55 115.2,146.55 115.32,146.68 118.66,146.68 R130.1
LOOPBACK13: length 124.4
  Top w0.25: J8.18 87.67,70.55 87.67,79.35 A1.D36
  Top w0.5: A1.D36 87.53,81.87 76.96,81.87 74.9,83.94 74.9,92.96 80.52,98.59 80.53,150.97 77.53,153.97 57.47,153.97 R92.2
nFAN1_PWM: length 115.4
  Top w0.5: v1(66.3,102.85) 70.04,102.85 77.5,110.31 v1(77.5,132) ; v1(62.5,105) 61.3,103.8 47.71,103.8 45.01,106.5 34,106.5 32.5,105 R12.2 ; J7.2 115.84,135.4 A1.D9 85.9,135.4 v1(85.5,135)
  Bottom w0.5: v1(85.5,135) 82.46,131.96 77.54,131.96 v1(77.5,132) ; v1(62.5,105) 64.15,105 v1(66.3,102.85)
ONE_WIRE_TC: length 115.3
  Top w0.5: v1(119.5,123.5) 119.25,123.25 119.25,108.56 122.82,104.99 122.82,102.24 128.32,96.74 128.32,75.57 v1(125.75,73) ; R169.2 113.5,34.59 113.5,70.25 116.25,73 v1(119.75,73) ; J6.6 115.74,123.72 A1.D5
  Bottom w0.5: v1(119.5,123.5) 119,124 118.92,123.92 J6.6 ; v1(125.75,73) v1(119.75,73)
PS1_EN: length 40.7
  Top w0.25: R173.2 106.68,72.43 v1(106.68,71.42) ; R142.1 118.93,48.44 Q13.1
  Top w0.5: v1(115.75,65.75) 115.75,49 116.19,48.56 Q13.1
  Bottom w0.25: J8.3 105.09,68.37 105.09,69.84 v1(106.68,71.42)
  Bottom w0.5: J8.3 107.96,65.5 110.25,65.5 110.5,65.75 v1(115.75,65.75)
PS2_EN: length 25.7
  Top w0.5: R143.1 101.14,119.62 Q14.1 101.14,127.62 101.59,128.06 103.31,128.06 106.75,131.5 112.77,131.5 113.29,132.02 R172.2 115.81,132.89 J7.1
SCL: length 174.7
  Top w0.5: R16.1 116.41,77.91 116.07,77.57 116.07,75.19 116.5,74.76 116.5,74.24 115.86,73.6 113.1,73.6 110.75,71.25 110.75,63.68 110.12,63.04 104.54,63.04 103.75,62.25 ; R16.1 R112.1 ; R16.1 117,78.5 114.05,81.45 114.05,86.45 J2.8 109.36,88.34 A1.D21 ; v1(108.4,39.45) 109.5,38.35 R2.1 ; R166.2 24,49.49 24,51.5 R77.1 42.5,69.87 48.94,63.43 98.02,63.43 99.04,62.41 100.07,63.43 102.57,63.43 103.75,62.25 ; 103.75,62.25 103.75,57.06 109.42,51.4 109.42,43.9 v1(109.01,43.49)
  Top w1: TP_SCL1.1 99.04,62.41
  Bottom w0.5: v1(108.4,39.45) 109.01,40.06 v1(109.01,43.49)
SCL1: length 41.1
  Top w0.25: v1(113.01,164) 111.11,164 108.32,166.8 108.32,170.1 109.21,170.99 109.21,172.24 R168.1 ; 115.84,155.72 J7.10 ; R163.2 112.94,174.13 117.05,174.13
  Top w0.5: R168.1 R163.2 ; A1.SCL1 115.84,155.72 ; 117.05,174.13 117.46,174.55
  Top w0.75: 117.46,174.55 TP_SCL2.1
  Bottom w0.25: 113.01,158.55 v1(113.01,164)
  Bottom w2: J7.10 113.01,158.55
SDA: length 167.3
  Top w0.5: R4.1 106.5,40.05 v1(107,40.55) ; 113.5,77.91 R13.2 ; 113.5,77.91 v1(113.5,74.5) ; 113.5,77.91 113.49,77.91 112,79.4 ; v1(38,68.5) 39,69.5 R78.1 ; R99.2 112,79.4 ; 112,79.4 112,84.5 109.75,86.75 107.5,86.75 107.5,89.02 A1.D20 115.76,90.7 J2.7 ; R165.2 23.53,64 29.52,64 33.53,68.01 v1(33.99,68.01) ; v1(107,44.5) 106,45.5 v1(106,53.51) ; v1(42.5,67.25) 47.47,62.28 83.06,62.28 84.21,61.13 93.37,61.13 96.09,58.41 v1(102.41,58.41) ; v1(113.5,72.75) 112.75,72 112.75,61.75 111.5,60.5
  Top w1: TP_SDA1.1 108.57,60.5 111.5,60.5
  Bottom w0.5: v1(42.5,67.25) 41.25,68.5 v1(38,68.5) 37.5,68 34,68 v1(33.99,68.01) ; v1(113.5,74.5) v1(113.5,72.75) ; v1(107,40.55) v1(107,44.5) ; TP_SDA1.1 103.23,59.23 v1(102.41,58.41)
  Bottom w1: v1(106,53.51) 107.3,54.81 TP_SDA1.1
